# Altium PCB PCB12_sensor.PcbDoc
Units mm, origin at the board's own origin, x right, y up, seen from the top; angles counter-clockwise.
Board outline 87.5 x 87.5 mm, 2 copper layers (Top Layer, Bottom Layer); 47 components, 37 nets, 142 pads, 50 vias.
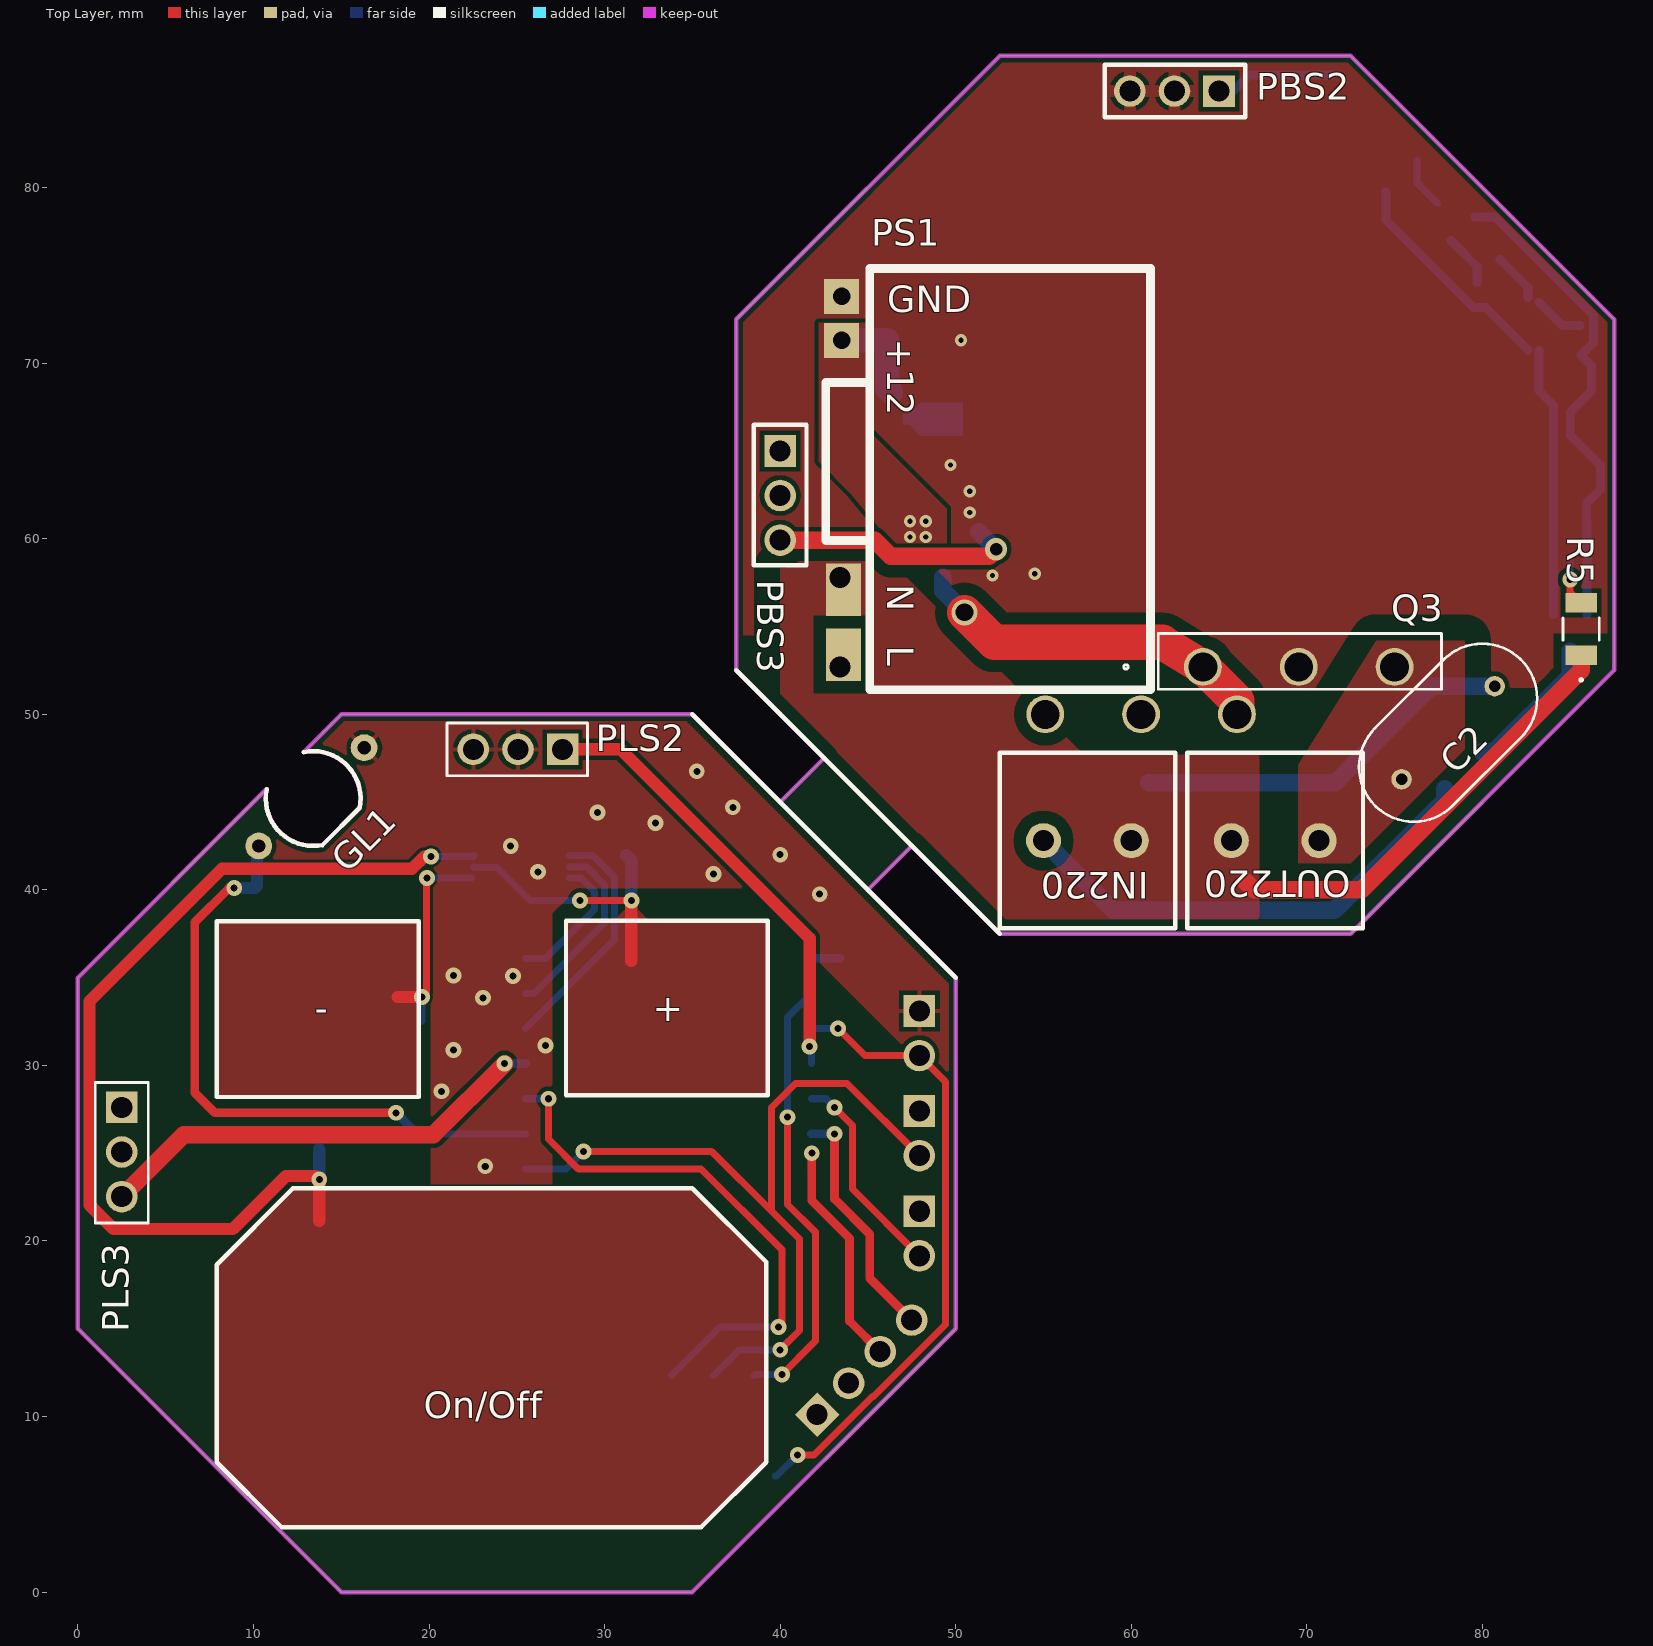
[diagram p0: Top Layer view]
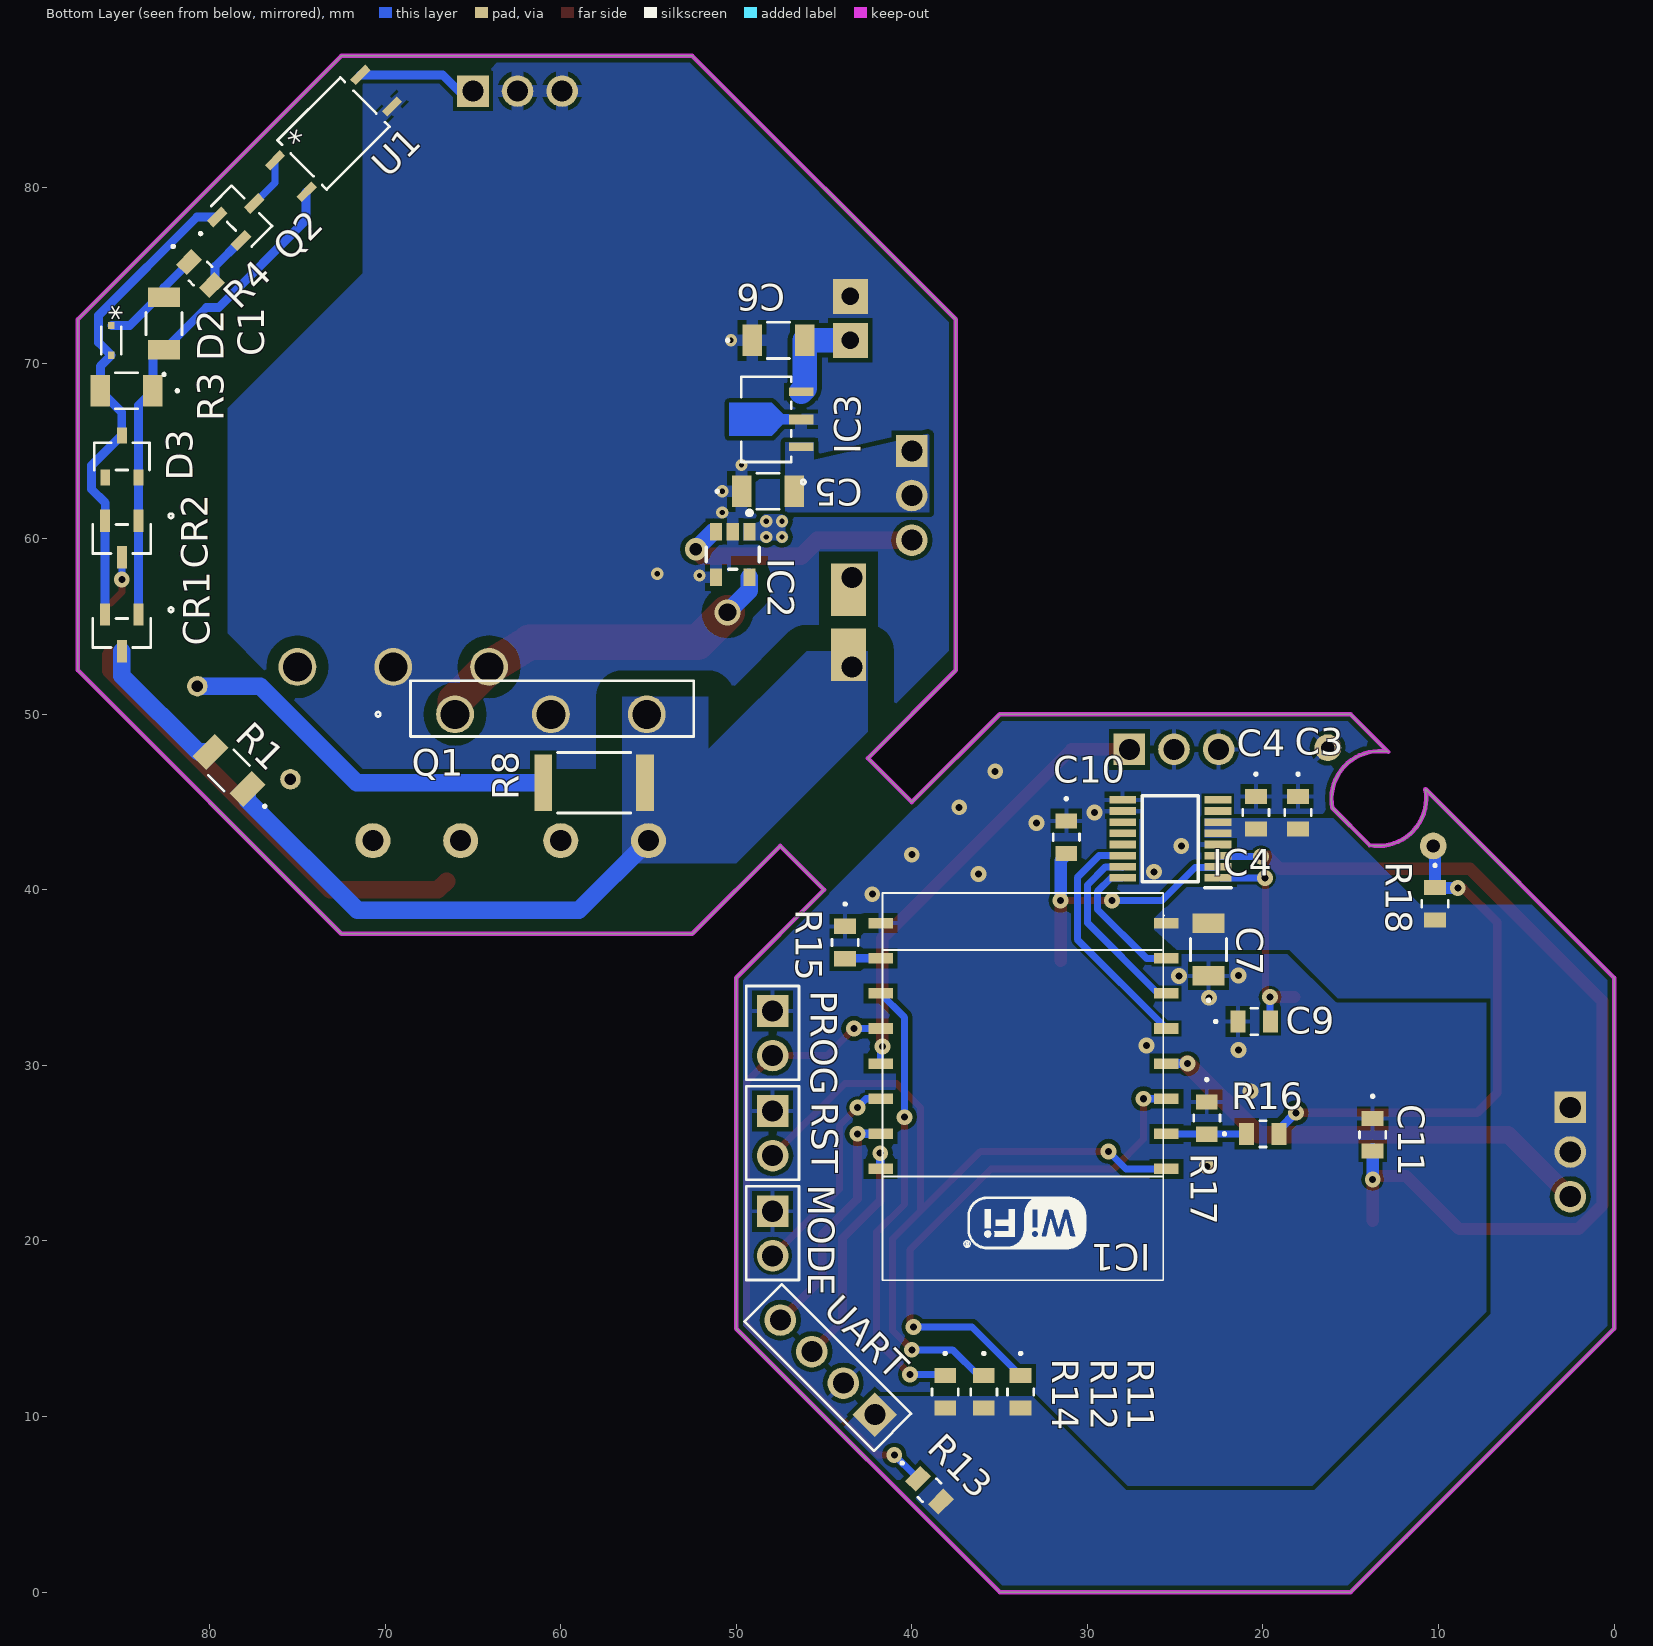
[diagram p1: Bottom Layer view, seen from below]
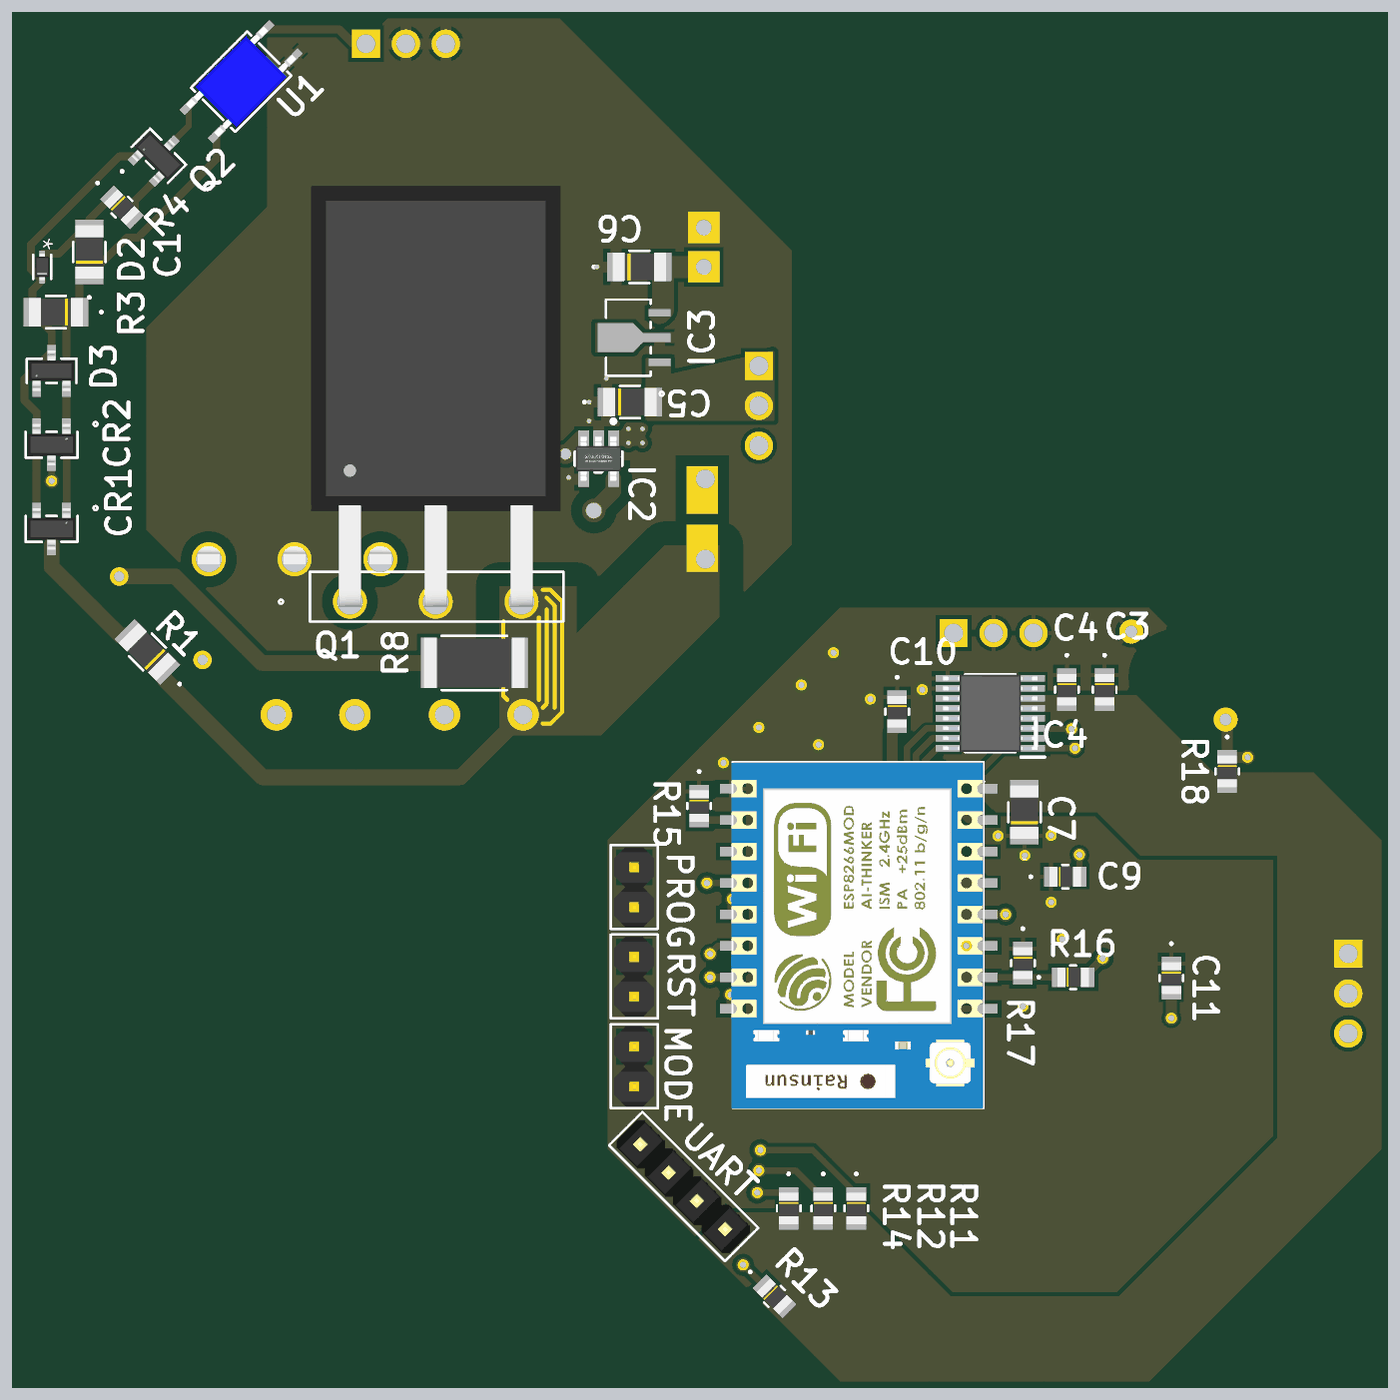
[diagram p2: 3D render of the assembled board from below, using the file's embedded part models]

## Layer stack, top to bottom
Top Solder: solder mask 0.0102, Solder Resist, Dk 3.5
Top Layer: signal copper 0.0356
Dielectric 1: dielectric 0.32, FR-4, Dk 4.8
Bottom Layer: signal copper 0.0356
Bottom Solder: solder mask 0.0102, Solder Resist, Dk 3.5

## Board outline
11.875,3.125 0,15 0,35 10.73,45.73 10.748,45.73 ccw(c13.416,45.22) 13.93,42.552 16.048,44.67 ccw(c13.374,45.178) 12.87,47.852 15,49.982 15,50 35,50 40,45 42.5,47.5 37.5,52.5 37.5,72.5 52.5,87.5 72.5,87.5 87.5,72.5 87.5,52.5 72.5,37.5 52.5,37.5 47.5,42.5 45,40 50,35 50,15 35,0 15,0

## Design rules (kind name [scope] priority, off if disabled: settings)
Clearance "Clearance_IC4 Pads" [InPadClass('IC4 Pads')Or InNetClass('IC4 Nets')] p1: gap=0.175
Clearance "Clearance_PS1 pads 0.254" [InPadClass('PS1 Pads')] p2: gap=0.254
Clearance Clearance_0.25 [InPadClass('IC2 Pads')] p3: gap=0.25
Clearance Clearance_Power_Nets_0.7mm [InNetClass('Power_Nets')] p4: gap=0.7 except(1.5: Poly-Poly)
Clearance [All] p5: gap=0.254
ComponentClearance ComponentClearance_1 [InComponent('PS1')] p1: gap=0 collisioncheckmode=3 verticalgap=0.254 showdistances=FALSE
ComponentClearance [All] p2: gap=0.254 collisioncheckmode=3 verticalgap=0.254 showdistances=FALSE
MinimumSolderMaskSliver [All] p1: minsoldermaskwidth=0.15
PolygonConnect PolygonConnect_Via [(ObjectKind = 'Via') And ((Net = 'GNDA') Or (Net = 'VCCA12') Or (Net = 'LOAD_CNTRLA')Or (Net = 'GND') Or (Net ='NetC11_2') Or (Net ='NetC9_2')Or (Net ='NetC10_1'))] p1: connectstyle=Direct reliefconductorwidth=0.254 reliefentries=4 polygonreliefangle="90 Angle" airgapwidth=0.254
PolygonConnect PolygonConnect_PowerPads [(InPadClass('Power Pads')) Or (Net='VCC3.3')] p2: connectstyle=Direct reliefconductorwidth=0.254 reliefentries=4 polygonreliefangle="90 Angle" airgapwidth=0.254
PolygonConnect PolygonConnect_GNDA_0.5 [InNet('GNDA')] p3: connectstyle=Relief reliefconductorwidth=0.7 reliefentries=4 polygonreliefangle="90 Angle" airgapwidth=0.254
PolygonConnect [All] p4: connectstyle=Relief reliefconductorwidth=0.254 reliefentries=4 polygonreliefangle="90 Angle" airgapwidth=0.254
RoutingVias [All] p1: holewidth=0.711 width=1.27 viastyle="Through Hole" minholewidth=0.254 minwidth=0.7 maxholewidth=1 maxwidth=1.524
SilkToSolderMaskClearance [IsPad] p1: minsilkscreentomaskgap=-1 clearancetoexposedcopper=TRUE
SolderMaskExpansion [All] p1: expansion=-1
Width Width_2mm [InNetClass('Power_Nets')] p1: maxlimit=4 minlimit=1 preferedwidth=2
Width Width_1mm [InNetClass('Middle Nets')] p2: maxlimit=1.4 minlimit=0.7 preferedwidth=1
Width [All] p3: maxlimit=1 minlimit=0.254 preferedwidth=0.5
27 further rules are at their usual default settings.

## Classes and differential pairs
net class "Middle Nets": LOAD_CNTRLA NetC2_2 VCCA12
net class Power_Nets: L_IN L_OUT N_IN NetIC2_5
pad class "IC2 Pads": IC2-1 IC2-2 IC2-3
pad class "Power Pads": C2-1 C5-2 IC2-1 IC2-5 IC3-1 IN220-1 IN220-2 OUT220-1 OUT220-2 PBS3-1 PBS3-2 PBS3-3 PS1-1 PS1-2 PS1-3 PS1-4 Q1-1 Q1-2 Q1-3 Q3-2 Q3-3 R1-1 R5-1 R8-2
pad class "IC4 Pads": IC4-1 IC4-2 IC4-3 IC4-4 IC4-5 IC4-6 IC4-7 IC4-8 IC4-9 IC4-10 IC4-11 IC4-12 IC4-13 IC4-14 IC4-15 IC4-16
net class "IC4 Nets": BTN_DEC BTN_INC BTN_ON MODE NetC9_2 NetC11_2

## Components (designator, comment, footprint, x,y, rotation, side; value= is the part's Value field where it differs from the comment)
C1 "1206 0.47u" CAP_X7R_1206_AVX 82.6,72.25 r90 bottom
C2 "CK45-E3AD103ZYGNA (0.01u)" CAP_CK45E3103_TDK 78.048,48.948 r45 top
C3 "105" G-21_MUR 18,44.4 r270 bottom
C4 "106" G-21_MUR 20.4,44.4 r270 bottom
C5 "C-1206 (0.1u)" CAP_X7R_1206_AVX 48.2,62.7 r180 bottom
C6 "C-1206 0.33u" CAP_X7R_1206_AVX 47.6,71.3 r180 bottom
C7 "C-1206 0.47u" CAP_X7R_1206_AVX 23.1,36.6 r90 bottom
C9 "30pF" G-21_MUR 20.5,32.5 r180 bottom
C10 "30pF" G-21_MUR 31.2,43 r270 bottom
C11 "30pF" G-21_MUR 13.75,26.05 r270 bottom
CR1 "BAV99LT1G" SOT-23_TO-236_318-08_ONS 85,54.634 r0 bottom
CR2 "BAV99LT1G" SOT-23_TO-236_318-08_ONS 85,59.984 r0 bottom
D2 "1N4148WT" CR_SOD-523F_ONS 85.6,71.3 r270 bottom
D3 "BZX84C22VLFHT116" TRANS_BZX84_ROM 85,64.694 r180 bottom
GL1 "GL5516" GL5516 13.4,45.2 r315 top
IC1 "ESP8266 ESP-07" "ESP8266 ESP-07" 25.678,18.567 r90 bottom
IC2 "FAN3100TSX" ON_Semi_527AH_0 50.2,59.1 r0 bottom
IC3 "L78L33ABUTR" SOT-89_STM 48.3,66.8 r90 bottom
IC4 "TTP224B-BSBN" SOP64P600X175-16N 25.275,42.9 r0 bottom
IN220 "300-021-12" 300-021-12#1 62.5,47.8 r180 top
MODE "PLS-2" PLS-2 48,19.15 r270 bottom
OUT220 "300-021-12" 300-021-12#2 73.2,47.8 r180 top
PBS2 "PBS-3" PBS-3 65,85.5 r180 top
PBS3 "PBS-3" PBS-3 40,65 r270 top
PLS2 "PLS-3" PLS-3 25,48 r180 top
PLS3 "PLS-3" PLS-3 2.5,25 r270 top
PROG "PLS-2" PLS-2 48,30.56 r270 bottom
PS1 "220to12" 220to12 45.1,77.4 r270 top
Q1 "IRFP460APBF" TO-247AC_VIS#1 66.02,50 r180 bottom
Q2 "BC807-25,215" SOT23_BC807_NEX 78.175,78.375 r225 bottom
Q3 "IRFP460APBF" TO-247AC_VIS#2 64.08,52.7 r0 top
R1 "120k" CAP_X7R_1206_AVX 78.9,46.8 r45 bottom
R3 "330k" CAP_X7R_1206_AVX 84.725,68.425 r0 bottom
R4 "220" G-21_MUR 80.525,75.1 r225 bottom
R5 "120k" CAP_X7R_1206_AVX 85.625,54.85 r90 top
R8 "220" RES2512_TL_TYCO_TYC 58.1,46.1 r180 bottom
R11 "10k" G-21_MUR 33.8,11.4 r270 bottom
R12 "10k" G-21_MUR 35.9,11.4 r270 bottom
R13 "10k" G-21_MUR 39,5.8 r225 bottom
R14 "10k" G-21_MUR 38.1,11.4 r270 bottom
R15 "10k" G-21_MUR 43.8,37 r270 bottom
R16 "220" G-21_MUR 20,26.1 r180 bottom
R17 "100" G-21_MUR 23.2,27 r270 bottom
R18 "10k" G-21_MUR 10.2,39.2 r270 bottom
RST "PLS-2" PLS-2 48,24.86 r270 bottom
U1 "TLP183(GR-TPL,E" "4pin SO6_TOS" 72.943,83.086 r135 bottom
UART "PLS-4" PLS-4 42.104,10.104 r45 bottom

## Footprints (in the part's own frame and the unit in brackets; to place one, negate y for a bottom-side part, rotate by r counter-clockwise, add the part's x,y. Pads: shape width x height; smd on the part's side, far side on the other; paste and mask are expansions set on the pad)
"4pin SO6_TOS" [mil]
  rect 47.56x17.97 smd paste+0 mask+0: 1(-135.5,50) 3(-135.5,-50) 4(135.5,-50) 6(135.5,50)
  silkscreen extent -100,-78 100,78, body extent -138,-73 138,73, height 87
220to12 [mm]
  rect 3x2 hole 1.2 copper offset -0.7,0.2 mask+0: 1(24.7,-1.7)
  rect 3x2 hole 1.2 copper offset 0.7,0.2 mask+0: 2(19.6,-1.7)
  rect 2x2 hole 1 mask+0: 3(6.1,-1.6) 4(3.6,-1.6)
  silkscreen extent 2,-2.5 26,16
300-021-12#1 [mm]
  round 2 hole 1.2 paste+0 mask+0: 1(2.5,5)
  round 2 hole 1.2 mask+0: 2(7.5,5)
  silkscreen extent 0,0 10,10
300-021-12#2 [mm]
  round 2 hole 1.2 mask+0: 1(2.5,5)
  round 2 hole 1.2 paste+0 mask+0: 2(7.5,5)
  silkscreen extent 0,0 10,10
CAP_CK45E3103_TDK [mil]
  round 46 hole 26 mask+0: 1(-147.64,0) 2(147.64,0)
  silkscreen extent -231,-123 232,123, body extent 0,0 10,10, height 10
CAP_X7R_1206_AVX [mil]
  rect 43.78x71 smd paste+0 mask+0: 1(-58.89,0) 2(58.89,0)
  silkscreen extent -117,-40 25,40, body extent -67,-36 67,36, height 50
CR_SOD-523F_ONS [mil]
  rect 15.87x14 smd paste+0 mask+0: 1(-33.44,0) 2(33.44,0)
  silkscreen extent -31,-23 31,23, body extent -34,-17 34,17, height 28
"ESP8266 ESP-07" [mm] "ESP8266 ESP-01"
  rect 0.6x1.4 smd: 1(5.533,-0.178) 2(7.533,-0.178) 3(9.533,-0.178) 4(11.533,-0.178) 5(13.533,-0.178) 6(15.533,-0.178) 7(17.533,-0.178) 8(19.533,-0.178) 9(19.533,16.104) 10(17.533,16.104) 11(15.533,16.104) 12(13.533,16.104) 13(11.533,16.104) 14(9.533,16.104) 15(7.533,16.104) 16(5.533,16.104)
  silkscreen extent -0.8,-0.05 21.25,16, body extent -0.81,0.07 21.19,16.07, height 3.5
G-21_MUR [mil]
  rect 33.78x49 smd paste+0 mask+0: 1(-36.39,0) 2(36.39,0)
  silkscreen extent -89,-30 7,30, body extent -39,-24 39,24, height 57
GL5516 [mil]
  round 60 hole 30 mask+0: 1(-11.14,-161.47) 2(0,161.47)
  silkscreen extent -88,-106 89,106
ON_Semi_527AH_0 [mm]
  rect 0.7x1 smd paste+0 mask+0: 1(-0.95,-1.3) 2(0,-1.3) 3(0.95,-1.3) 4(0.95,1.3) 5(-0.95,1.3)
  silkscreen extent -1.5,-2.5 1.5,0.85, body extent -1.45,-1.4 1.45,1.4, height 1.5
PBS-3 [mm]
  rect 1.8x1.8 hole 1.2 mask+0: 1(0,0)
  round 1.8 hole 1.2 mask+0: 2(2.54,0) 3(5.08,0)
  silkscreen extent -1.5,-1.5 6.5,1.5
PLS-2 [mm]
  rect 1.8x1.8 hole 1.2 mask+0: 1(-2.54,0.075)
  round 1.8 hole 1.2 mask+0: 2(0,0.075)
  silkscreen extent -3.96,-1.43 1.38,1.57, body extent -3.81,-1.19 1.27,1.35, height 8.54
PLS-3 [mm]
  rect 1.8x1.8 hole 1.2 mask+0: 1(-2.605,-0.005)
  round 1.8 hole 1.2 mask+0: 2(-0.065,-0.005) 3(2.475,-0.005)
  silkscreen extent -4.03,-1.5 3.97,1.5
PLS-4 [mm]
  rect 1.8x1.8 hole 1.2 mask+0: 1(0,0)
  round 1.8 hole 1.2 mask+0: 2(2.54,0) 3(5.08,0) 4(7.62,0)
  silkscreen extent -1.42,-1.5 9.01,1.5, body extent -1.28,-1.24 8.88,1.3, height 9.2
RES2512_TL_TYCO_TYC [mil]
  rect 39.87x126 smd paste+0 mask+0: 1(-113.94,0) 2(113.94,0)
  silkscreen extent -82,-68 82,68, body extent -126,-63 126,63, height 24
SOP64P600X175-16N [mm]
  rect 1.525x0.435 smd: 1(-2.712,2.222) 2(-2.712,1.588) 3(-2.712,0.952) 4(-2.712,0.318) 5(-2.712,-0.318) 6(-2.712,-0.952) 7(-2.712,-1.588) 8(-2.712,-2.222) 9(2.712,-2.222) 10(2.712,-1.588) 11(2.712,-0.952) 12(2.712,-0.318) 13(2.712,0.318) 14(2.712,0.952) 15(2.712,1.588) 16(2.712,2.222)
  silkscreen extent -3.47,-2.45 1.6,2.79, body extent -3,-2.45 3,2.45, height 1.75
SOT23_BC807_NEX [mil]
  rect 21.36x45.56 smd paste+0 mask+0: 1(-37.5,-40) 2(37.5,-40) 3(0,40)
  silkscreen extent -64,-96 64,32, body extent -59,-49 59,49, height 43
SOT-23_TO-236_318-08_ONS [mil]
  rect 22.36x49.56 smd paste+0 mask+0: 1(-37.4,-41) 2(37.4,-41) 3(0,41)
  silkscreen extent -115,-57 65,32, body extent -60,-52 60,52, height 44
SOT-89_STM [mil]
  rect 19x54.87 smd paste+0 mask+0: 1(-61.81,-78.44) 3(61.81,-78.44)
  rect 22x54.87 smd paste+0 mask+0: 2(0,-78.44)
  Top Layer region: 11,-51 -11,-51 -11,-37 -36.98,-12.98 -36.98,82.78 36.98,82.78 36.98,-12.98 11,-37.98
  silkscreen extent -145,-88 96,56, body extent 0,0 10,10, height 10
TO-247AC_VIS#1 [mil]
  round 85 hole 65 mask+0: 1(0,0) 2(214.96,0) 3(429.92,0)
  silkscreen extent -178,-50 535,75, body extent -98,-14 527,1041, height 211
TO-247AC_VIS#2 [mil]
  round 85 hole 65 mask+0: 1(0,0) 2(214.96,0)
  round 85 hole 65 paste+0 mask+0: 3(429.92,0)
  silkscreen extent -178,-50 535,75, body extent -98,-14 527,1041, height 211
TRANS_BZX84_ROM [mil]
  rect 22x36 smd paste+0 mask+0: 1(-37.4,-47) 2(37.4,-47) 3(0,47)
  silkscreen extent -62,-31 62,31, body extent -57,-51 57,51, height 45

## Part data
C1 C5 C6 C7: library part C-1206, "No Description Available"
C2: library part CK45-E3AD103ZYGNA, "No Description Available"
C3 C4 C9 C10 C11: library part cap0805, "cap0805"
CR1 CR2 D2 D3 IC3 Q1 Q2 Q3 U1: "No Description Available"
IC4: "Integrated Circuit"
R1 R3 R5: library part R-1206, "R-1206"
R4 R11 R12 R13 R14 R15 R16 R17 R18: library part res0805, "Resistor 0805"
R8: library part R-2512, "No Description Available"
